# KiCad board traffic_paradise.kicad_pcb (continued)
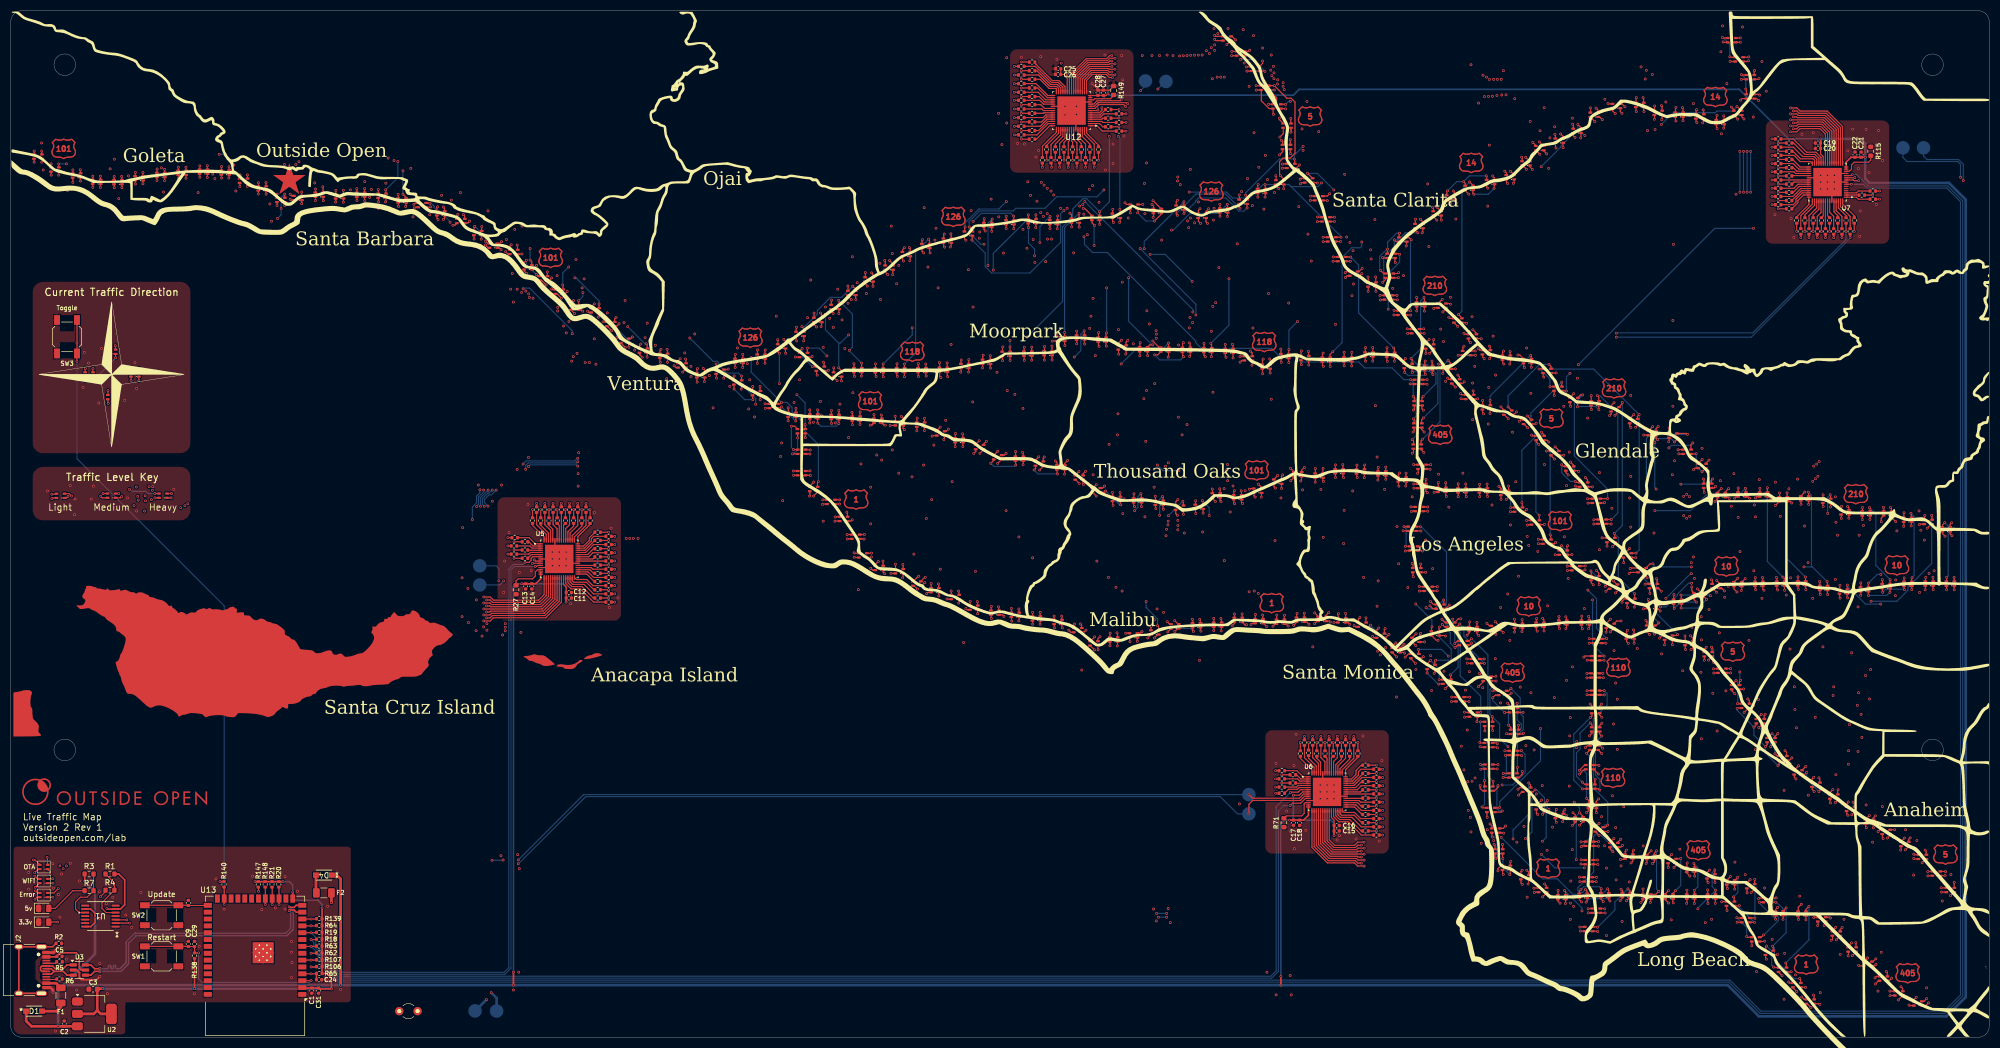
[diagram p0: board, top side]
## Placement (name value [footprint] x y rotation side) (continued)
LED320  LED_ARGB  [LED_RGB_0606]  335.48 21.85 0 top
LED321  LED_ARGB  [LED_RGB_0606]  338.18 19.21 0 top
LED322  LED_ARGB  [LED_RGB_0606]  341.12 16.26 0 top
LED323  LED_ARGB  [LED_RGB_0606]  344.02 13.62 0 top
LED324  LED_ARGB  [LED_RGB_0606]  346.91 10.88 0 top
LED325  LED_ARGB  [LED_RGB_0606]  6.1 31.55 0 top
LED326  LED_ARGB  [LED_RGB_0606]  18.67 100.38 0 top
LED327  LED_ARGB  [LED_RGB_0606]  28.19 100.38 0 top
LED328  LED_ARGB  [LED_RGB_0606]  9.2 100.35 0 top
LED329  LED_ARGB  [LED_RGB_0606]  330.86 9.66 0 top
LED330  LED_ARGB  [LED_RGB_0606]  333.35 6.61 0 top
LED331  LED_ARGB  [LED_RGB_0606]  134.9 125.35 0 top
LED332  LED_ARGB  [LED_RGB_0606]  139 126.15 0 top
LED333  LED_ARGB  [LED_RGB_0606]  142.8 128.05 0 top
LED334  LED_ARGB  [LED_RGB_0606]  146.2 130.35 0 top
LED335  LED_ARGB  [LED_RGB_0606]  149.5 132.95 0 top
LED336  LED_ARGB  [LED_RGB_0606]  152.7 135.35 0 top
LED337  LED_ARGB  [LED_RGB_0606]  155.8 137.95 0 top
LED338  LED_ARGB  [LED_RGB_0606]  159 140.45 0 top
LED339  LED_ARGB  [LED_RGB_0606]  162.7 142.65 0 top
LED340  LED_ARGB  [LED_RGB_0606]  165.9 145.15 0 top
LED341  LED_ARGB  [LED_RGB_0606]  169.5 146.65 0 top
LED342  LED_ARGB  [LED_RGB_0606]  173.5 147.65 0 top
LED343  LED_ARGB  [LED_RGB_0606]  177.4 148.95 0 top
LED344  LED_ARGB  [LED_RGB_0606]  181 150.55 0 top
LED345  LED_ARGB  [LED_RGB_0606]  185.1 151.05 0 top
LED346  LED_ARGB  [LED_RGB_0606]  189.2 151.25 0 top
LED347  LED_ARGB  [LED_RGB_0606]  193.2 151.05 0 top
LED348  LED_ARGB  [LED_RGB_0606]  197.2 151.35 0 top
LED349  LED_ARGB  [LED_RGB_0606]  201 151.85 0 top
LED350  LED_ARGB  [LED_RGB_0606]  204.8 152.25 0 top
LED351  LED_ARGB  [LED_RGB_0606]  208.1 153.95 0 top
LED352  LED_ARGB  [LED_RGB_0606]  212.4 153.15 0 top
LED353  LED_ARGB  [LED_RGB_0606]  216.6 153.75 0 top
LED354  LED_ARGB  [LED_RGB_0606]  220.7 152.25 0 top
LED355  LED_ARGB  [LED_RGB_0606]  224.7 153.25 0 top
LED356  LED_ARGB  [LED_RGB_0606]  228.3 154.85 0 top
LED357  LED_ARGB  [LED_RGB_0606]  231.7 156.85 0 top
LED358  LED_ARGB  [LED_RGB_0606]  235.1 158.45 0 top
LED359  LED_ARGB  [LED_RGB_0606]  260.3 73.65 0 top
LED360  LED_ARGB  [LED_RGB_0606]  263.9 74.85 0 top
LED361  LED_ARGB  [LED_RGB_0606]  270.9 75.65 0 top
LED362  LED_ARGB  [LED_RGB_0606]  275 75.85 0 top
LED363  LED_ARGB  [LED_RGB_0606]  279.3 76.25 0 top
LED364  LED_ARGB  [LED_RGB_0606]  283.3 76.45 0 top
LED365  LED_ARGB  [LED_RGB_0606]  287.5 76.85 0 top
LED366  LED_ARGB  [LED_RGB_0606]  291.7 76.85 0 top
LED367  LED_ARGB  [LED_RGB_0606]  296.3 76.25 0 top
LED368  LED_ARGB  [LED_RGB_0606]  300 74.25 0 top
LED369  LED_ARGB  [LED_RGB_0606]  294 73.45 0 top
LED370  LED_ARGB  [LED_RGB_0606]  293.6 70.25 0 top
LED371  LED_ARGB  [LED_RGB_0606]  293.5 67.05 0 top
LED372  LED_ARGB  [LED_RGB_0606]  293.6 63.85 0 top
LED373  LED_ARGB  [LED_RGB_0606]  293.6 60.45 0 top
LED374  LED_ARGB  [LED_RGB_0606]  293.6 57.05 0 top
LED375  LED_ARGB  [LED_RGB_0606]  293.3 53.65 0 top
LED376  LED_ARGB  [LED_RGB_0606]  292.5 50.05 0 top
LED377  LED_ARGB  [LED_RGB_0606]  292.7 46.45 0 top
LED378  LED_ARGB  [LED_RGB_0606]  293 42.85 0 top
LED379  LED_ARGB  [LED_RGB_0606]  292.5 35.85 0 top
LED380  LED_ARGB  [LED_RGB_0606]  292.4 32.45 0 top
LED381  LED_ARGB  [LED_RGB_0606]  292.2 29.25 0 top
LED382  LED_ARGB  [LED_RGB_0606]  293.7 23.45 0 top
LED383  LED_ARGB  [LED_RGB_0606]  292.3 20.05 0 top
LED384  LED_ARGB  [LED_RGB_0606]  255.38 141.15 0 top
LED385  LED_ARGB  [LED_RGB_0606]  255.7 144.82 0 top
LED386  LED_ARGB  [LED_RGB_0606]  257.88 147.85 0 top
LED387  LED_ARGB  [LED_RGB_0606]  260.88 150.35 0 top
LED388  LED_ARGB  [LED_RGB_0606]  264.25 152.7 0 top
LED389  LED_ARGB  [LED_RGB_0606]  266.73 155.68 0 top
LED390  LED_ARGB  [LED_RGB_0606]  270.15 157.43 0 top
LED391  LED_ARGB  [LED_RGB_0606]  274.12 158.5 0 top
LED392  LED_ARGB  [LED_RGB_0606]  277.77 159.4 0 top
LED393  LED_ARGB  [LED_RGB_0606]  280.7 161.98 0 top
LED394  LED_ARGB  [LED_RGB_0606]  283.25 164.8 0 top
LED395  LED_ARGB  [LED_RGB_0606]  286.85 166.18 0 top
LED396  LED_ARGB  [LED_RGB_0606]  290.18 168 0 top
LED397  LED_ARGB  [LED_RGB_0606]  293.35 170.98 0 top
LED398  LED_ARGB  [LED_RGB_0606]  297.45 172.6 0 top
LED399  LED_ARGB  [LED_RGB_0606]  301.77 172.8 0 top
LED400  LED_ARGB  [LED_RGB_0606]  305.2 171.32 0 top
LED401  LED_ARGB  [LED_RGB_0606]  309.07 171 0 top
LED402  LED_ARGB  [LED_RGB_0606]  312.9 170.68 0 top
LED403  LED_ARGB  [LED_RGB_0606]  316.68 169.62 0 top
LED404  LED_ARGB  [LED_RGB_0606]  319.93 171.32 0 top
LED405  LED_ARGB  [LED_RGB_0606]  322.23 174.38 0 top
LED406  LED_ARGB  [LED_RGB_0606]  322.25 177.95 0 top
LED407  LED_ARGB  [LED_RGB_0606]  320.18 181.25 0 top
LED408  LED_ARGB  [LED_RGB_0606]  318.8 184.8 0 top
LED409  LED_ARGB  [LED_RGB_0606]  18.7 118.65 0 top
LED410  LED_ARGB  [LED_RGB_0606]  14.5 122.85 0 top
LED411  LED_ARGB  [LED_RGB_0606]  18.7 127.05 0 top
LED412  LED_ARGB  [LED_RGB_0606]  23 122.85 0 top
LED413  LED_ARGB  [LED_RGB_0606]  6.1 26.35 0 top
LED414  LED_ARGB  [LED_RGB_0606]  6.1 28.95 0 top
R1  8.5k  [R_0603_1608Metric]  18.37 30.25 180 top
R2  0R  [R_0402_1005Metric]  8.89 17.4 0 top
R3  14.5k  [R_0603_1608Metric]  14.5 30.25 0 top
R4  1.5k  [R_0603_1608Metric]  18.38 27.25 180 top
R5  5.1k  [R_0402_1005Metric]  9.02 13.97 0 top
R6  5.1k  [R_0402_1005Metric]  9.02 10.8 0 top
R7  2.5k  [R_0603_1608Metric]  14.5 27.15 180 top
R11  51  [R_0402_1005Metric]  95.25 90.3 180 top
R12  20  [R_0402_1005Metric]  95.25 88.78 180 top
R13  20  [R_0402_1005Metric]  93.22 89.54 180 top
R14  51  [R_0402_1005Metric]  93.35 92.59 180 top
R15  20  [R_0402_1005Metric]  93.22 91.06 180 top
R16  20  [R_0402_1005Metric]  95.25 91.83 180 top
R17  51  [R_0402_1005Metric]  98.17 95.76 90 top
R18  4.7k  [R_0402_1005Metric]  57.15 18.17 180 top
R19  4.7k  [R_0402_1005Metric]  57.15 19.44 180 top
R20  2k  [R_0402_1005Metric]  49.66 28.33 270 top
R21  2k  [R_0402_1005Metric]  48.39 28.33 270 top
R22  20  [R_0402_1005Metric]  97.41 97.79 90 top
R23  20  [R_0402_1005Metric]  96.65 95.76 90 top
R24  51  [R_0402_1005Metric]  100.46 97.79 90 top
R25  20  [R_0402_1005Metric]  99.7 95.76 90 top
R26  20  [R_0402_1005Metric]  98.93 97.79 90 top
R27  10k  [R_0603_1608Metric]  93.6 82.94 90 top
R28  51  [R_0402_1005Metric]  102.74 95.76 90 top
R29  20  [R_0402_1005Metric]  101.98 97.79 90 top
R30  20  [R_0402_1005Metric]  101.22 95.76 90 top
R31  51  [R_0402_1005Metric]  105.03 97.79 90 top
R32  20  [R_0402_1005Metric]  104.27 95.76 90 top
R33  20  [R_0402_1005Metric]  103.51 97.79 90 top
R34  51  [R_0402_1005Metric]  107.32 95.76 90 top
R35  20  [R_0402_1005Metric]  105.79 95.76 90 top
R36  20  [R_0402_1005Metric]  106.55 97.79 90 top
R37  51  [R_0402_1005Metric]  110.74 89.79 0 top
R38  20  [R_0402_1005Metric]  108.71 90.56 0 top
R39  20  [R_0402_1005Metric]  110.74 91.32 0 top
R40  51  [R_0402_1005Metric]  108.71 92.08 0 top
R41  20  [R_0402_1005Metric]  110.74 92.84 0 top
R42  20  [R_0402_1005Metric]  108.71 93.6 0 top
R43  51  [R_0402_1005Metric]  108.71 82.94 0 top
R44  20  [R_0402_1005Metric]  110.74 83.7 0 top
R45  20  [R_0402_1005Metric]  108.71 84.46 0 top
R46  51  [R_0402_1005Metric]  110.74 85.22 0 top
R47  20  [R_0402_1005Metric]  108.71 85.98 0 top
R48  20  [R_0402_1005Metric]  110.74 86.75 0 top
R49  51  [R_0402_1005Metric]  108.71 87.51 0 top
R50  20  [R_0402_1005Metric]  110.74 88.27 0 top
R51  20  [R_0402_1005Metric]  108.71 89.03 0 top
R52  51  [R_0402_1005Metric]  110.74 80.65 0 top
R53  20  [R_0402_1005Metric]  108.71 81.41 0 top
R54  20  [R_0402_1005Metric]  110.74 82.17 0 top
R55  51  [R_0402_1005Metric]  240.41 52.71 90 top
R56  20  [R_0402_1005Metric]  239.65 54.61 90 top
R57  20  [R_0402_1005Metric]  238.89 52.58 90 top
R58  51  [R_0402_1005Metric]  247.27 54.61 90 top
R59  20  [R_0402_1005Metric]  246.51 52.58 90 top
R60  20  [R_0402_1005Metric]  245.75 54.61 90 top
R61  51  [R_0402_1005Metric]  242.7 54.61 90 top
R62  4.7k  [R_0402_1005Metric]  57.15 15.62 180 top
R63  4.7k  [R_0402_1005Metric]  57.15 16.9 180 top
R64  2k  [R_0402_1005Metric]  57.15 20.7 180 top
R65  10k  [R_0402_1005Metric]  57.15 11.81 180 top
R66  20  [R_0402_1005Metric]  241.94 52.58 90 top
R67  20  [R_0402_1005Metric]  241.17 54.61 90 top
R68  51  [R_0402_1005Metric]  237.49 47.12 180 top
R69  20  [R_0402_1005Metric]  235.46 46.36 180 top
R70  20  [R_0402_1005Metric]  235.46 45.22 180 top
R71  10k  [R_0603_1608Metric]  235.84 39.76 90 top
R72  51  [R_0402_1005Metric]  235.46 49.41 180 top
R73  20  [R_0402_1005Metric]  237.49 48.65 180 top
R74  20  [R_0402_1005Metric]  235.46 47.88 180 top
R75  51  [R_0402_1005Metric]  244.98 52.58 90 top
R76  20  [R_0402_1005Metric]  244.22 54.61 90 top
R77  20  [R_0402_1005Metric]  243.46 52.58 90 top
R78  51  [R_0402_1005Metric]  249.56 52.58 90 top
R79  20  [R_0402_1005Metric]  248.79 54.61 90 top
R80  20  [R_0402_1005Metric]  248.03 52.58 90 top
R81  51  [R_0402_1005Metric]  250.95 48.9 0 top
R82  20  [R_0402_1005Metric]  252.98 49.66 0 top
R83  20  [R_0402_1005Metric]  250.95 50.42 0 top
R84  51  [R_0402_1005Metric]  250.95 44.33 0 top
R85  20  [R_0402_1005Metric]  252.98 45.09 0 top
R86  20  [R_0402_1005Metric]  250.95 45.85 0 top
R87  51  [R_0402_1005Metric]  250.95 39.76 0 top
R88  20  [R_0402_1005Metric]  252.98 40.52 0 top
R89  20  [R_0402_1005Metric]  250.95 41.28 0 top
R90  51  [R_0402_1005Metric]  252.98 46.61 0 top
R91  20  [R_0402_1005Metric]  250.95 47.38 0 top
R92  20  [R_0402_1005Metric]  252.98 48.14 0 top
R93  51  [R_0402_1005Metric]  252.98 43.57 0 top
R94  20  [R_0402_1005Metric]  252.98 42.04 0 top
R95  20  [R_0402_1005Metric]  250.95 42.8 0 top
R96  51  [R_0402_1005Metric]  252.98 37.47 0 top
R97  20  [R_0402_1005Metric]  250.95 38.23 0 top
R98  20  [R_0402_1005Metric]  252.98 38.99 0 top
R99  51  [R_0402_1005Metric]  327.41 164.98 180 top
R100  20  [R_0402_1005Metric]  329.44 165.74 180 top
R101  20  [R_0402_1005Metric]  327.41 166.5 180 top
R102  51  [R_0402_1005Metric]  329.44 162.69 180 top
R103  20  [R_0402_1005Metric]  327.41 163.45 180 top
R104  20  [R_0402_1005Metric]  329.44 164.22 180 top
R105  51  [R_0402_1005Metric]  327.41 160.41 180 top
R106  4.7k  [R_0402_1005Metric]  57.15 13.09 180 top
R107  4.7k  [R_0402_1005Metric]  57.15 14.36 180 top
R108  -  [Photoresistor]  73.66 4.83 0 top
R109  51  [R_0402_1005Metric]  344.93 156.85 0 top
R110  20  [R_0402_1005Metric]  329.44 161.17 180 top
R111  20  [R_0402_1005Metric]  327.41 161.93 180 top
R112  51  [R_0402_1005Metric]  329.44 158.12 180 top
R113  20  [R_0402_1005Metric]  327.41 158.88 180 top
R114  20  [R_0402_1005Metric]  329.44 159.64 180 top
R115  10k  [R_0603_1608Metric]  344.55 164.22 270 top
R116  51  [R_0402_1005Metric]  327.41 155.83 180 top
R117  20  [R_0402_1005Metric]  329.44 156.59 180 top
R118  20  [R_0402_1005Metric]  327.41 157.36 180 top
R119  51  [R_0402_1005Metric]  332.36 151.39 270 top
R120  20  [R_0402_1005Metric]  331.6 149.36 270 top
R121  20  [R_0402_1005Metric]  330.84 151.39 270 top
R122  51  [R_0402_1005Metric]  334.64 149.36 270 top
R123  20  [R_0402_1005Metric]  333.88 151.39 270 top
R124  20  [R_0402_1005Metric]  333.12 149.36 270 top
R125  51  [R_0402_1005Metric]  329.44 153.55 180 top
R126  20  [R_0402_1005Metric]  327.41 154.31 180 top
R127  20  [R_0402_1005Metric]  329.44 155.07 180 top
R128  51  [R_0402_1005Metric]  341.5 151.39 270 top
R129  20  [R_0402_1005Metric]  340.74 149.36 270 top
R130  20  [R_0402_1005Metric]  339.98 151.39 270 top
R131  51  [R_0402_1005Metric]  337.69 149.36 270 top
R132  20  [R_0402_1005Metric]  338.46 151.39 270 top
R133  20  [R_0402_1005Metric]  339.22 149.36 270 top
R134  51  [R_0402_1005Metric]  336.93 151.39 270 top
R135  20  [R_0402_1005Metric]  336.17 149.36 270 top
R136  20  [R_0402_1005Metric]  335.41 151.39 270 top
R138  10k  [R_0402_1005Metric]  34.04 15.12 90 top
R139  2k  [R_0402_1005Metric]  57.15 21.98 180 top
R140  10k  [R_0402_1005Metric]  39.5 28.33 270 top
R145  20  [R_0402_1005Metric]  342.9 156.09 0 top
R146  20  [R_0402_1005Metric]  344.93 155.32 0 top
R147  4.7k  [R_0402_1005Metric]  45.85 28.33 270 top
R148  4.7k  [R_0402_1005Metric]  47.12 28.33 270 top
R149  10k  [R_0603_1608Metric]  204.3 175.48 270 top
R150  51  [R_0402_1005Metric]  203.3 170.35 0 top
R151  20  [R_0402_1005Metric]  203.3 171.95 0 top
R152  20  [R_0402_1005Metric]  205.3 171.15 0 top
R153  51  [R_0402_1005Metric]  205.3 167.95 0 top
R154  20  [R_0402_1005Metric]  205.3 169.55 0 top
R155  20  [R_0402_1005Metric]  203.3 168.75 0 top
R156  51  [R_0402_1005Metric]  199.9 164.54 270 top
R157  20  [R_0402_1005Metric]  200.7 162.54 270 top
R158  20  [R_0402_1005Metric]  201.5 164.54 270 top
R159  51  [R_0402_1005Metric]  197.5 162.54 270 top
R160  20  [R_0402_1005Metric]  198.3 164.54 270 top
R161  20  [R_0402_1005Metric]  199.1 162.54 270 top
R162  51  [R_0402_1005Metric]  195.1 164.54 270 top
R163  20  [R_0402_1005Metric]  195.9 162.54 270 top
R164  20  [R_0402_1005Metric]  196.7 164.54 270 top
R165  51  [R_0402_1005Metric]  192.7 162.54 270 top
R166  20  [R_0402_1005Metric]  193.5 164.54 270 top
R167  20  [R_0402_1005Metric]  194.3 162.55 270 top
R168  51  [R_0402_1005Metric]  189.19 166.45 180 top
R169  20  [R_0402_1005Metric]  191.9 164.54 270 top
R170  20  [R_0402_1005Metric]  191.1 162.54 270 top
R171  51  [R_0402_1005Metric]  189.19 171.25 180 top
R172  20  [R_0402_1005Metric]  187.19 170.45 180 top
R173  20  [R_0402_1005Metric]  189.19 169.65 180 top
R174  51  [R_0402_1005Metric]  187.19 168.85 180 top
R175  20  [R_0402_1005Metric]  189.19 168.05 180 top
R176  20  [R_0402_1005Metric]  187.19 167.25 180 top
R177  51  [R_0402_1005Metric]  187.2 178.35 180 top
R178  20  [R_0402_1005Metric]  189.2 177.55 180 top
R179  20  [R_0402_1005Metric]  187.2 176.75 180 top
R180  51  [R_0402_1005Metric]  189.2 175.95 180 top
R181  20  [R_0402_1005Metric]  187.2 175.15 180 top
R182  20  [R_0402_1005Metric]  189.2 174.35 180 top
R183  51  [R_0402_1005Metric]  187.2 173.65 180 top
R184  20  [R_0402_1005Metric]  189.19 172.85 180 top
R185  20  [R_0402_1005Metric]  187.19 172.05 180 top
R186  51  [R_0402_1005Metric]  189.2 180.75 180 top
R187  20  [R_0402_1005Metric]  187.2 179.95 180 top
R188  20  [R_0402_1005Metric]  189.2 179.15 180 top
SW1  SW_Push  [SW_SPST_SKQG_WithoutStem]  27.94 14.99 180 top
SW2  SW_Push  [SW_SPST_SKQG_WithoutStem]  27.94 22.61 180 top
SW3  SW_Push  [SW_SPST_SKQG_WithoutStem]  10.41 129.84 90 top
TP3  TestPoint  [TestPoint_Pad_D2.5mm]  229.36 44.96 180 bottom
TP4  TestPoint  [TestPoint_Pad_D2.5mm]  229.36 41.41 180 bottom
TP5  TestPoint  [TestPoint_Pad_D2.5mm]  86.87 83.82 180 bottom
TP6  TestPoint  [TestPoint_Pad_D2.5mm]  86.87 87.38 180 bottom
TP7  TestPoint  [TestPoint_Pad_D2.5mm]  350.52 164.85 180 bottom
TP8  TestPoint  [TestPoint_Pad_D2.5mm]  354.33 164.85 180 bottom
TP13  TestPoint  [TestPoint_Pad_D2.5mm]  214 177.15 180 bottom
TP14  TestPoint  [TestPoint_Pad_D2.5mm]  210.2 177.25 180 bottom
TP21  TestPoint  [TestPoint_Pad_D2.5mm]  86 4.88 180 bottom
TP22  TestPoint  [TestPoint_Pad_D2.5mm]  90 4.85 180 bottom
U1  MCP4651T-503E/ST  [TSSOP14_MC_MCH]  16.6 22.45 180 top
U2  AMS1117-3.3  [SOT-223-3_TabPin2]  15.49 4.32 0 top
U3  USBLC6-2SC6  [SOT-23-6]  12.7 12.45 0 top
U5  IS31FL3741A  [QFN40P700X700X80-61N]  101.6 88.65 0 top
U6  IS31FL3741A  [QFN40P700X700X80-61N]  243.84 45.47 0 top
U7  IS31FL3741A  [QFN40P700X700X80-61N]  336.55 158.5 180 top
U12  IS31FL3741A  [QFN40P700X700X80-61N]  196.5 171.75 180 top
U13  -  [ESP32-S3-WROOM-1]  45.25 13.2 180 top

## Library data of the parts
C1 = -: Description: Unpolarized capacitor, small symbol; LCSC: C15525; ki_fp_filters: C_*
C2 C5 C9-C22 C24 = -: Description: Unpolarized capacitor, small symbol; ki_fp_filters: C_*
C3 = -: Description: Unpolarized capacitor, small symbol; LCSC: C59461; ki_fp_filters: C_*
C25 C26 C29 = -: Description: Unpolarized capacitor, small symbol; LCSC: C52923; ki_fp_filters: C_*
C27 C28 C31 = -: Description: Unpolarized capacitor, small symbol; LCSC: C307331; ki_fp_filters: C_*
D1 = -: Datasheet: https://fscdn.rohm.com/en/products/databook/datasheet/discrete/diode/schottky_barrier/rbr3mm40atr-e.pdf; Description: Schottky diode, small symbol. Alternate Part: LCSC C2972823.; ki_fp_filters: TO-???* *_Diode_* *SingleDiode* D_*
D2 D3 = -: Datasheet: https://www.lcsc.com/datasheet/lcsc_datasheet_2204191800_ROHM-Semicon-SMLMN2WB1CW1_C2992528.pdf; Description: Light emitting diode; ki_fp_filters: LED* LED_SMD:* LED_THT:*
D4 = -: Datasheet: https://fscdn.rohm.com/en/products/databook/datasheet/discrete/diode/schottky_barrier/rbr3mm40atr-e.pdf; Description: Schottky diode, small symbol. Alternate Part: LCSC C2972823; ki_fp_filters: TO-???* *_Diode_* *SingleDiode* D_*
F1 = -: Description: Resettable fuse, polymeric positive temperature coefficient, small symbol; ki_fp_filters: *polyfuse* *PTC*
F2 = -: Description: Resettable fuse, polymeric positive temperature coefficient, small symbol; LCSC: C19078717; ki_fp_filters: *polyfuse* *PTC*
J2 = -: Datasheet: https://www.usb.org/sites/default/files/documents/usb_type-c.zip; Description: USB 2.0-only 16P Type-C Receptacle connector; LCSC: C165948; ki_fp_filters: USB*C*Receptacle*
LED1-LED45 LED47-LED324 LED326-LED330 = -: Description: RGB LED, red/anode/blue/green; ki_fp_filters: LED* LED_SMD:* LED_THT:*
LED325 LED331-LED414 = -: Description: RGB LED, red/anode/blue/green; LCSC: C965840; ki_fp_filters: LED* LED_SMD:* LED_THT:*
R1 = -: Description: Resistor; LCSC: C23125; ki_fp_filters: R_*
R2 R5 R6 R11-R107 R109-R136 R140 R145 R146 = -: Description: Resistor, small US symbol; ki_fp_filters: R_*
R3 = -: Description: Resistor; LCSC: C2933148; ki_fp_filters: R_*
R4 = -: Description: Resistor; LCSC: C22843; ki_fp_filters: R_*
R7 = -: Description: Resistor; LCSC: C304065; ki_fp_filters: R_*
R108 = -: ki_fp_filters: *LDR* R?LDR*
R138 = -: Description: Resistor, small US symbol; LCSC: C25744; ki_fp_filters: R_*
R139 = -: Description: Resistor, small US symbol; LCSC: C4109; ki_fp_filters: R_*
R147 R148 = -: Description: Resistor, small US symbol; LCSC: C25900; ki_fp_filters: R_*
R149 = -: Description: Resistor, small US symbol; LCSC: C25804; ki_fp_filters: R_*
R150 R153 R156 R159 R162 R165 R168 R171 R174 R177 R180 R183 R186 = -: Description: Resistor, small US symbol; LCSC: C325571; ki_fp_filters: R_*
R151 R152 R154 R155 R157 R158 R160 R161 R163 R164 R166 R167 R169 R170 R172 R173 R175 R176 R178 R179 R181 R182 R184 R185 R187 R188 = -: Description: Resistor, small US symbol; LCSC: C137901; ki_fp_filters: R_*
SW1-SW3 = -: Description: Push button switch, generic, two pins
TP3-TP8 TP13 TP14 TP21 TP22 = -: Description: test point; ki_fp_filters: Pin* Test*
U1 = -: Datasheet: https://ww1.microchip.com/downloads/en/DeviceDoc/22096b.pdf; LCSC: C627328; ki_fp_filters: TSSOP14_MC_MCH TSSOP14_MC_MCH-M TSSOP14_MC_MCH-L
U2 = -: Datasheet: http://www.advanced-monolithic.com/pdf/ds1117.pdf; Description: 1A Low Dropout regulator, positive, 3.3V fixed output, SOT-223; ki_fp_filters: SOT?223*TabPin2*
U3 = -: Datasheet: https://www.st.com/resource/en/datasheet/usblc6-2.pdf; Description: Very low capacitance ESD protection diode, 2 data-line, SOT-23-6; ki_fp_filters: SOT?23*
U5-U7 = -: Datasheet: https://www.lumissil.com/assets/pdf/core/IS31FL3741A_DS.pdf
U12 = -: Datasheet: https://www.lumissil.com/assets/pdf/core/IS31FL3741A_DS.pdf; LCSC: C2940604
U13 = -: Datasheet: https://www.espressif.com/sites/default/files/documentation/esp32-s3-wroom-1_wroom-1u_datasheet_en.pdf; Description: RF Module, ESP32-S3 SoC, Wi-Fi 802.11b/g/n, Bluetooth, BLE, 32-bit, 3.3V, onboard antenna, SMD; LCSC: C2913198; ki_fp_filters: ESP32?S3?WROOM?1*

## Footprints (pads in the part's own frame, mm; a bottom-side part is the same pattern mirrored in y, then rotated)
C_0402_1005Metric
  rrect 0.56x0.62 smd: 1(-0.48,0) 2(0.48,0)
C_0603_1608Metric
  rrect 0.9x0.95 smd: 1(-0.775,0) 2(0.775,0)
DIO_RB051MM_ROM
  rect 1.092x0.991 smd: 1(-1.473,0) 2(1.473,0)
ESP32-S3-WROOM-1
  rect 0.9x0.9 smd: (-2.9,-1.06) (-2.9,-2.46) (-2.9,-3.86) (-1.5,-1.06) (-1.5,-2.46) (-1.5,-3.86) (-0.1,-1.06) (-0.1,-2.46) (-0.1,-3.86)
  rect 1.5x0.9 smd: 1(-8.75,5.26) 2(-8.75,3.99) 3(-8.75,2.72) 4(-8.75,1.45) 5(-8.75,0.18) 6(-8.75,-1.09) 7(-8.75,-2.36) 8(-8.75,-3.63) 9(-8.75,-4.9) 10(-8.75,-6.17) 11(-8.75,-7.44) 12(-8.75,-8.71) 13(-8.75,-9.98) 14(-8.75,-11.25) 27(8.75,-11.25) 28(8.75,-9.98) 29(8.75,-8.71) 30(8.75,-7.44) 31(8.75,-6.17) 32(8.75,-4.9) 33(8.75,-3.63) 34(8.75,-2.36) 35(8.75,-1.09) 36(8.75,0.18) 37(8.75,1.45) 38(8.75,2.72) 39(8.75,3.99) 40(8.75,5.26)
  rect 0.9x1.5 smd: 15(-6.985,-12.5) 16(-5.715,-12.5) 17(-4.445,-12.5) 18(-3.175,-12.5) 19(-1.905,-12.5) 20(-0.635,-12.5) 21(0.635,-12.5) 22(1.905,-12.5) 23(3.175,-12.5) 24(4.445,-12.5) 25(5.715,-12.5) 26(6.985,-12.5)
  round 0.6 hole 0.3: 41(-2.9,-1.76) 41(-2.9,-3.16) 41(-2.2,-1.06) 41(-2.2,-2.46) 41(-2.2,-3.86) 41(-1.5,-1.76) 41(-1.5,-3.16) 41(-0.8,-1.06) 41(-0.8,-2.46) 41(-0.8,-3.86) 41(-0.1,-1.76) 41(-0.1,-3.16)
  rect 3.9x3.9 smd: 41(-1.5,-2.46)
Fuse_1206_3216Metric
  rrect 1.25x1.75 smd: 1(-1.4,0) 2(1.4,0)
LED_0805_2012Metric
  rrect 0.975x1.4 smd: 1(-0.938,0) 2(0.938,0)
LED_RGB_0606
  rrect 0.675x0.4 smd: 1(0.738,-0.4) 2(0.738,0.4) 3(-0.738,0.4) 4(-0.738,-0.4)
Photoresistor
  round 1.524 hole 0.762: 1(-1.7,0) 2(1.7,0)
QFN40P700X700X80-61N
  rect 0.84x0.22 smd: 1(-3.445,2.8) 2(-3.445,2.4) 3(-3.445,2) 4(-3.445,1.6) 5(-3.445,1.2) 6(-3.445,0.8) 7(-3.445,0.4) 8(-3.445,0) 9(-3.445,-0.4) 10(-3.445,-0.8) 11(-3.445,-1.2) 12(-3.445,-1.6) 13(-3.445,-2) 14(-3.445,-2.4) 15(-3.445,-2.8) 31(3.445,-2.8) 32(3.445,-2.4) 33(3.445,-2) 34(3.445,-1.6) 35(3.445,-1.2) 36(3.445,-0.8) 37(3.445,-0.4) 38(3.445,0) 39(3.445,0.4) 40(3.445,0.8) 41(3.445,1.2) 42(3.445,1.6) 43(3.445,2) 44(3.445,2.4) 45(3.445,2.8)
  rect 0.22x0.84 smd: 16(-2.8,-3.445) 17(-2.4,-3.445) 18(-2,-3.445) 19(-1.6,-3.445) 20(-1.2,-3.445) 21(-0.8,-3.445) 22(-0.4,-3.445) 23(0,-3.445) 24(0.4,-3.445) 25(0.8,-3.445) 26(1.2,-3.445) 27(1.6,-3.445) 28(2,-3.445) 29(2.4,-3.445) 30(2.8,-3.445) 46(2.8,3.445) 47(2.4,3.445) 48(2,3.445) 49(1.6,3.445) 50(1.2,3.445) 51(0.8,3.445) 52(0.4,3.445) 53(0,3.445) 54(-0.4,3.445) 55(-0.8,3.445) 56(-1.2,3.445) 57(-1.6,3.445) 58(-2,3.445) 59(-2.4,3.445) 60(-2.8,3.445)
  rect 5.25x5.25 smd: 61(0,0)
R_0402_1005Metric
  rrect 0.54x0.64 smd: 1(-0.51,0) 2(0.51,0)
R_0603_1608Metric
  rrect 0.8x0.95 smd: 1(-0.825,0) 2(0.825,0)
SOT-23-6
  rrect 1.325x0.6 smd: 1(-1.137,0.95) 2(-1.137,0) 3(-1.137,-0.95) 4(1.137,-0.95) 5(1.137,0) 6(1.137,0.95)
SOT-223-3_TabPin2
  rrect 2x1.5 smd: 1(-3.15,2.3) 2(-3.15,0) 3(-3.15,-2.3)
  rrect 2x3.8 smd: 2(3.15,0)
SW_SPST_SKQG_WithoutStem
  rect 1.8x1.1 smd: 1(-3.1,1.85) 1(3.1,1.85) 2(-3.1,-1.85) 2(3.1,-1.85)
TestPoint_Pad_D2.5mm
  round 2.5 smd: 1(0,0)
TSSOP14_MC_MCH
  rect 1.473x0.356 smd: 1(-2.819,1.95) 2(-2.819,1.3) 3(-2.819,0.65) 4(-2.819,0) 5(-2.819,-0.65) 6(-2.819,-1.3) 7(-2.819,-1.95) 8(2.819,-1.95) 9(2.819,-1.3) 10(2.819,-0.65) 11(2.819,0) 12(2.819,0.65) 13(2.819,1.3) 14(2.819,1.95)
USB_C_Receptacle_HRO_TYPE-C-31-M-12
  round 0.65 hole 0.65 unplated: (-2.89,2.6) (2.89,2.6)
  rect 0.6x1.45 smd: A1(-3.25,4.045) A4(-2.45,4.045) A9(2.45,4.045) A12(3.25,4.045) B1(3.25,4.045) B4(2.45,4.045) B9(-2.45,4.045) B12(-3.25,4.045)
  rect 0.3x1.45 smd: A5(-1.25,4.045) A6(-0.25,4.045) A7(0.25,4.045) A8(1.25,4.045) B5(1.75,4.045) B6(0.75,4.045) B7(-0.75,4.045) B8(-1.75,4.045)
  oval 1x2.1 hole 0.6x1.7: S1(-4.32,3.13) S1(4.32,3.13)
  oval 1x1.6 hole 0.6x1.2: S1(-4.32,-1.05) S1(4.32,-1.05)

## Nets
+3.3V: C1.1 C3.1 C31.1 R1.1 R18.1 R19.1 R20.1 R21.1 R62.1 R63.1 R64.1 R65.1 R106.1 R107.1 R138.1 R139.1 R140.1 R147.1 R148.1 U1.6 U2.2 U13.2 U13.15
+5V: C2.1 C11.1 C12.1 C13.1 C14.1 C15.1 C16.1 C17.1 C18.1 C19.1 C20.1 C21.1 C22.1 C25.1 C26.1 C27.1 C28.1 D1.1 D4.1 R3.1 U1.9 U1.14 U2.3 U5.14 U5.15 U5.25 U6.8 U6.14 U6.15 U6.25 U7.14 U7.15 U7.25 U12.8 U12.14 U12.15 U12.25
GND: C1.2 C2.2 C3.2 C5.2 C9.1 C10.1 C11.2 C12.2 C13.2 C14.2 C15.2 C16.2 C17.2 C18.2 C19.2 C20.2 C21.2 C22.2 C24.1 C25.2 C26.2 C27.2 C28.2 C29.2 C31.2 D2.1 D3.1 J2.A1 J2.A12 J2.B1 J2.B12 R2.2 R5.2 R6.2 R27.1 R71.1 R108.2 R115.1 R149.1 SW1.1 SW2.1 SW3.1 TP21.1 U1.1 U1.4 U1.12 U1.13 U2.1 U3.2 U5.8 U5.12 U5.36 U5.55 U5.61 U6.12 U6.36 U6.55 U6.61 U7.8 U7.12 U7.36 U7.55 U7.61 U12.12 U12.36 U12.55 U12.61 U13.1 U13.40 U13.41
VBUS: C5.1 F1.1 J2.A4 J2.A9 J2.B4 J2.B9 U3.5
/C+: J2.A6 J2.B6 U3.3
/C-: J2.A7 J2.B7 U3.1
/CC1: J2.A5 R5.1
/CC2: J2.B5 R6.1
/D+: U3.4 U13.14
/D-: U3.6 U13.13
/DIG_POT_OUT_3V: R1.2 R4.1 U1.5
/DIG_POT_OUT_5V: R3.2 R7.1 U1.10
/EN: C9.2 C29.1 R138.2 SW1.2 U13.3
/INT1: R19.2 U5.7 U13.10
/INT2: R63.2 U6.7 U13.8
/INT3: R107.2 U7.7 U13.6
/INT4: R148.2 U12.7 U13.19
/IO0: C10.2 SW2.2 U13.27
/Matrix 1/COL0: LED1.2 LED10.2 LED19.2 LED28.2 LED37.2 LED55.2 LED73.2 LED82.2 LED100.2 LED109.2 LED145.2 LED409.2 U5.21
/Matrix 1/COL1: LED2.2 LED11.2 LED20.2 LED29.2 LED38.2 LED56.2 LED74.2 LED83.2 LED101.2 LED110.2 LED146.2 LED410.2 U5.22
/Matrix 1/COL2: LED3.2 LED12.2 LED21.2 LED30.2 LED39.2 LED57.2 LED75.2 LED84.2 LED102.2 LED111.2 LED147.2 LED411.2 U5.23
/Matrix 1/COL3: LED4.2 LED13.2 LED22.2 LED31.2 LED40.2 LED58.2 LED76.2 LED85.2 LED103.2 LED112.2 LED148.2 LED412.2 U5.24
/Matrix 1/COL4: LED5.2 LED14.2 LED23.2 LED32.2 LED41.2 LED59.2 LED77.2 LED86.2 LED104.2 LED113.2 LED149.2 LED413.2 U5.20
/Matrix 1/COL5: LED6.2 LED15.2 LED24.2 LED33.2 LED42.2 LED60.2 LED78.2 LED87.2 LED105.2 LED114.2 LED150.2 LED325.2 U5.19
/Matrix 1/COL6: LED7.2 LED16.2 LED25.2 LED34.2 LED43.2 LED61.2 LED79.2 LED88.2 LED106.2 LED115.2 LED151.2 LED326.2 U5.18
/Matrix 1/COL7: LED8.2 LED17.2 LED26.2 LED35.2 LED44.2 LED62.2 LED80.2 LED89.2 LED107.2 LED116.2 LED152.2 LED327.2 U5.17
/Matrix 1/COL8: LED9.2 LED18.2 LED27.2 LED36.2 LED45.2 LED63.2 LED81.2 LED90.2 LED108.2 LED153.2 LED328.2 LED414.2 U5.16
/Matrix 1/ROW0: R11.1 U5.4
/Matrix 1/ROW1: R12.1 U5.6
/Matrix 1/ROW2: R13.1 U5.5
/Matrix 1/ROW3: R14.1 U5.1
/Matrix 1/ROW4: R15.1 U5.3
/Matrix 1/ROW5: R16.1 U5.2
/Matrix 1/ROW6: R17.1 U5.58
/Matrix 1/ROW7: R22.1 U5.59
/Matrix 1/ROW8: R23.1 U5.60
/Matrix 1/ROW9: R24.1 U5.54
/Matrix 1/ROW10: R25.1 U5.56
/Matrix 1/ROW11: R26.1 U5.57
/Matrix 1/ROW12: R28.1 U5.51
/Matrix 1/ROW13: R29.1 U5.52
/Matrix 1/ROW14: R30.1 U5.53
/Matrix 1/ROW15: R31.1 U5.48
/Matrix 1/ROW16: R32.1 U5.49
/Matrix 1/ROW17: R33.1 U5.50
/Matrix 1/ROW18: R34.1 U5.45
/Matrix 1/ROW19: R35.1 U5.47
/Matrix 1/ROW20: R36.1 U5.46
/Matrix 1/ROW21: R37.1 U5.39
/Matrix 1/ROW22: R38.1 U5.40
/Matrix 1/ROW23: R39.1 U5.41
/Matrix 1/ROW24: R40.1 U5.42
/Matrix 1/ROW25: R41.1 U5.43
/Matrix 1/ROW26: R42.1 U5.44
/Matrix 1/ROW27: R43.1 U5.29
/Matrix 1/ROW28: R44.1 U5.30
/Matrix 1/ROW29: R45.1 U5.31
/Matrix 1/ROW30: R46.1 U5.32
/Matrix 1/ROW31: R47.1 U5.33
/Matrix 1/ROW32: R48.1 U5.34
/Matrix 1/ROW33: R49.1 U5.35
/Matrix 1/ROW34: R50.1 U5.37
/Matrix 1/ROW35: R51.1 U5.38
/Matrix 1/ROW36: R52.1 U5.26
/Matrix 1/ROW37: R53.1 U5.27
/Matrix 1/ROW38: R54.1 U5.28
/Matrix 2/COL0: LED154.2 LED177.2 LED186.2 LED190.2 LED199.2 LED208.2 LED217.2 LED226.2 LED318.2 LED360.2 LED381.2 U6.24
/Matrix 2/COL1: LED155.2 LED178.2 LED187.2 LED191.2 LED200.2 LED209.2 LED218.2 LED227.2 LED319.2 LED378.2 LED379.2 U6.21
/Matrix 2/COL2: LED156.2 LED179.2 LED188.2 LED192.2 LED201.2 LED210.2 LED219.2 LED228.2 LED320.2 LED371.2 LED380.2 U6.20
/Matrix 2/COL3: LED157.2 LED180.2 LED189.2 LED193.2 LED202.2 LED211.2 LED220.2 LED229.2 LED321.2 LED376.2 LED382.2 U6.19
/Matrix 2/COL4: LED117.2 LED158.2 LED181.2 LED194.2 LED203.2 LED212.2 LED221.2 LED230.2 LED314.2 LED322.2 LED369.2 U6.18
/Matrix 2/COL5: LED159.2 LED182.2 LED195.2 LED204.2 LED213.2 LED222.2 LED231.2 LED323.2 LED370.2 LED373.2 U6.17
/Matrix 2/COL6: LED160.2 LED183.2 LED196.2 LED205.2 LED214.2 LED223.2 LED232.2 LED324.2 LED372.2 LED377.2 U6.16
/Matrix 2/COL7: LED161.2 LED184.2 LED197.2 LED206.2 LED215.2 LED224.2 LED233.2 LED329.2 LED359.2 LED375.2 U6.22
/Matrix 2/COL8: LED162.2 LED185.2 LED198.2 LED207.2 LED216.2 LED225.2 LED234.2 LED330.2 LED374.2 LED383.2 U6.23
/Matrix 2/ROW0: R55.1 U6.58
/Matrix 2/ROW1: R56.1 U6.59
/Matrix 2/ROW2: R57.1 U6.60
/Matrix 2/ROW3: R58.1 U6.48
/Matrix 2/ROW4: R59.1 U6.49
/Matrix 2/ROW5: R60.1 U6.50
/Matrix 2/ROW6: R61.1 U6.54
/Matrix 2/ROW7: R66.1 U6.56
/Matrix 2/ROW8: R67.1 U6.57
/Matrix 2/ROW9: R68.1 U6.4
/Matrix 2/ROW10: R69.1 U6.5
/Matrix 2/ROW11: R70.1 U6.6
/Matrix 2/ROW12: R72.1 U6.1
/Matrix 2/ROW13: R73.1 U6.2
/Matrix 2/ROW14: R74.1 U6.3
/Matrix 2/ROW15: R75.1 U6.51
/Matrix 2/ROW16: R76.1 U6.52
/Matrix 2/ROW17: R77.1 U6.53
/Matrix 2/ROW18: R78.1 U6.45
/Matrix 2/ROW19: R79.1 U6.46
/Matrix 2/ROW20: R80.1 U6.47
/Matrix 2/ROW21: R81.1 U6.42
/Matrix 2/ROW22: R82.1 U6.43
/Matrix 2/ROW23: R83.1 U6.44
/Matrix 2/ROW24: R84.1 U6.35
/Matrix 2/ROW25: R85.1 U6.37
/Matrix 2/ROW26: R86.1 U6.38
/Matrix 2/ROW27: R87.1 U6.29
/Matrix 2/ROW28: R88.1 U6.30
/Matrix 2/ROW29: R89.1 U6.31
/Matrix 2/ROW30: R90.1 U6.39
/Matrix 2/ROW31: R91.1 U6.40
/Matrix 2/ROW32: R92.1 U6.41
/Matrix 2/ROW33: R93.1 U6.34
/Matrix 2/ROW34: R94.1 U6.32
/Matrix 2/ROW35: R95.1 U6.33
/Matrix 2/ROW36: R96.1 U6.26
/Matrix 2/ROW37: R97.1 U6.27
/Matrix 2/ROW38: R98.1 U6.28
/Matrix 3/COL0: LED167.2 LED235.2 LED244.2 LED253.2 LED262.2 LED271.2 LED280.2 LED289.2 LED298.2 LED316.2 LED364.2 U7.24
